# KiCad board visionboard.kicad_pcb (continued)
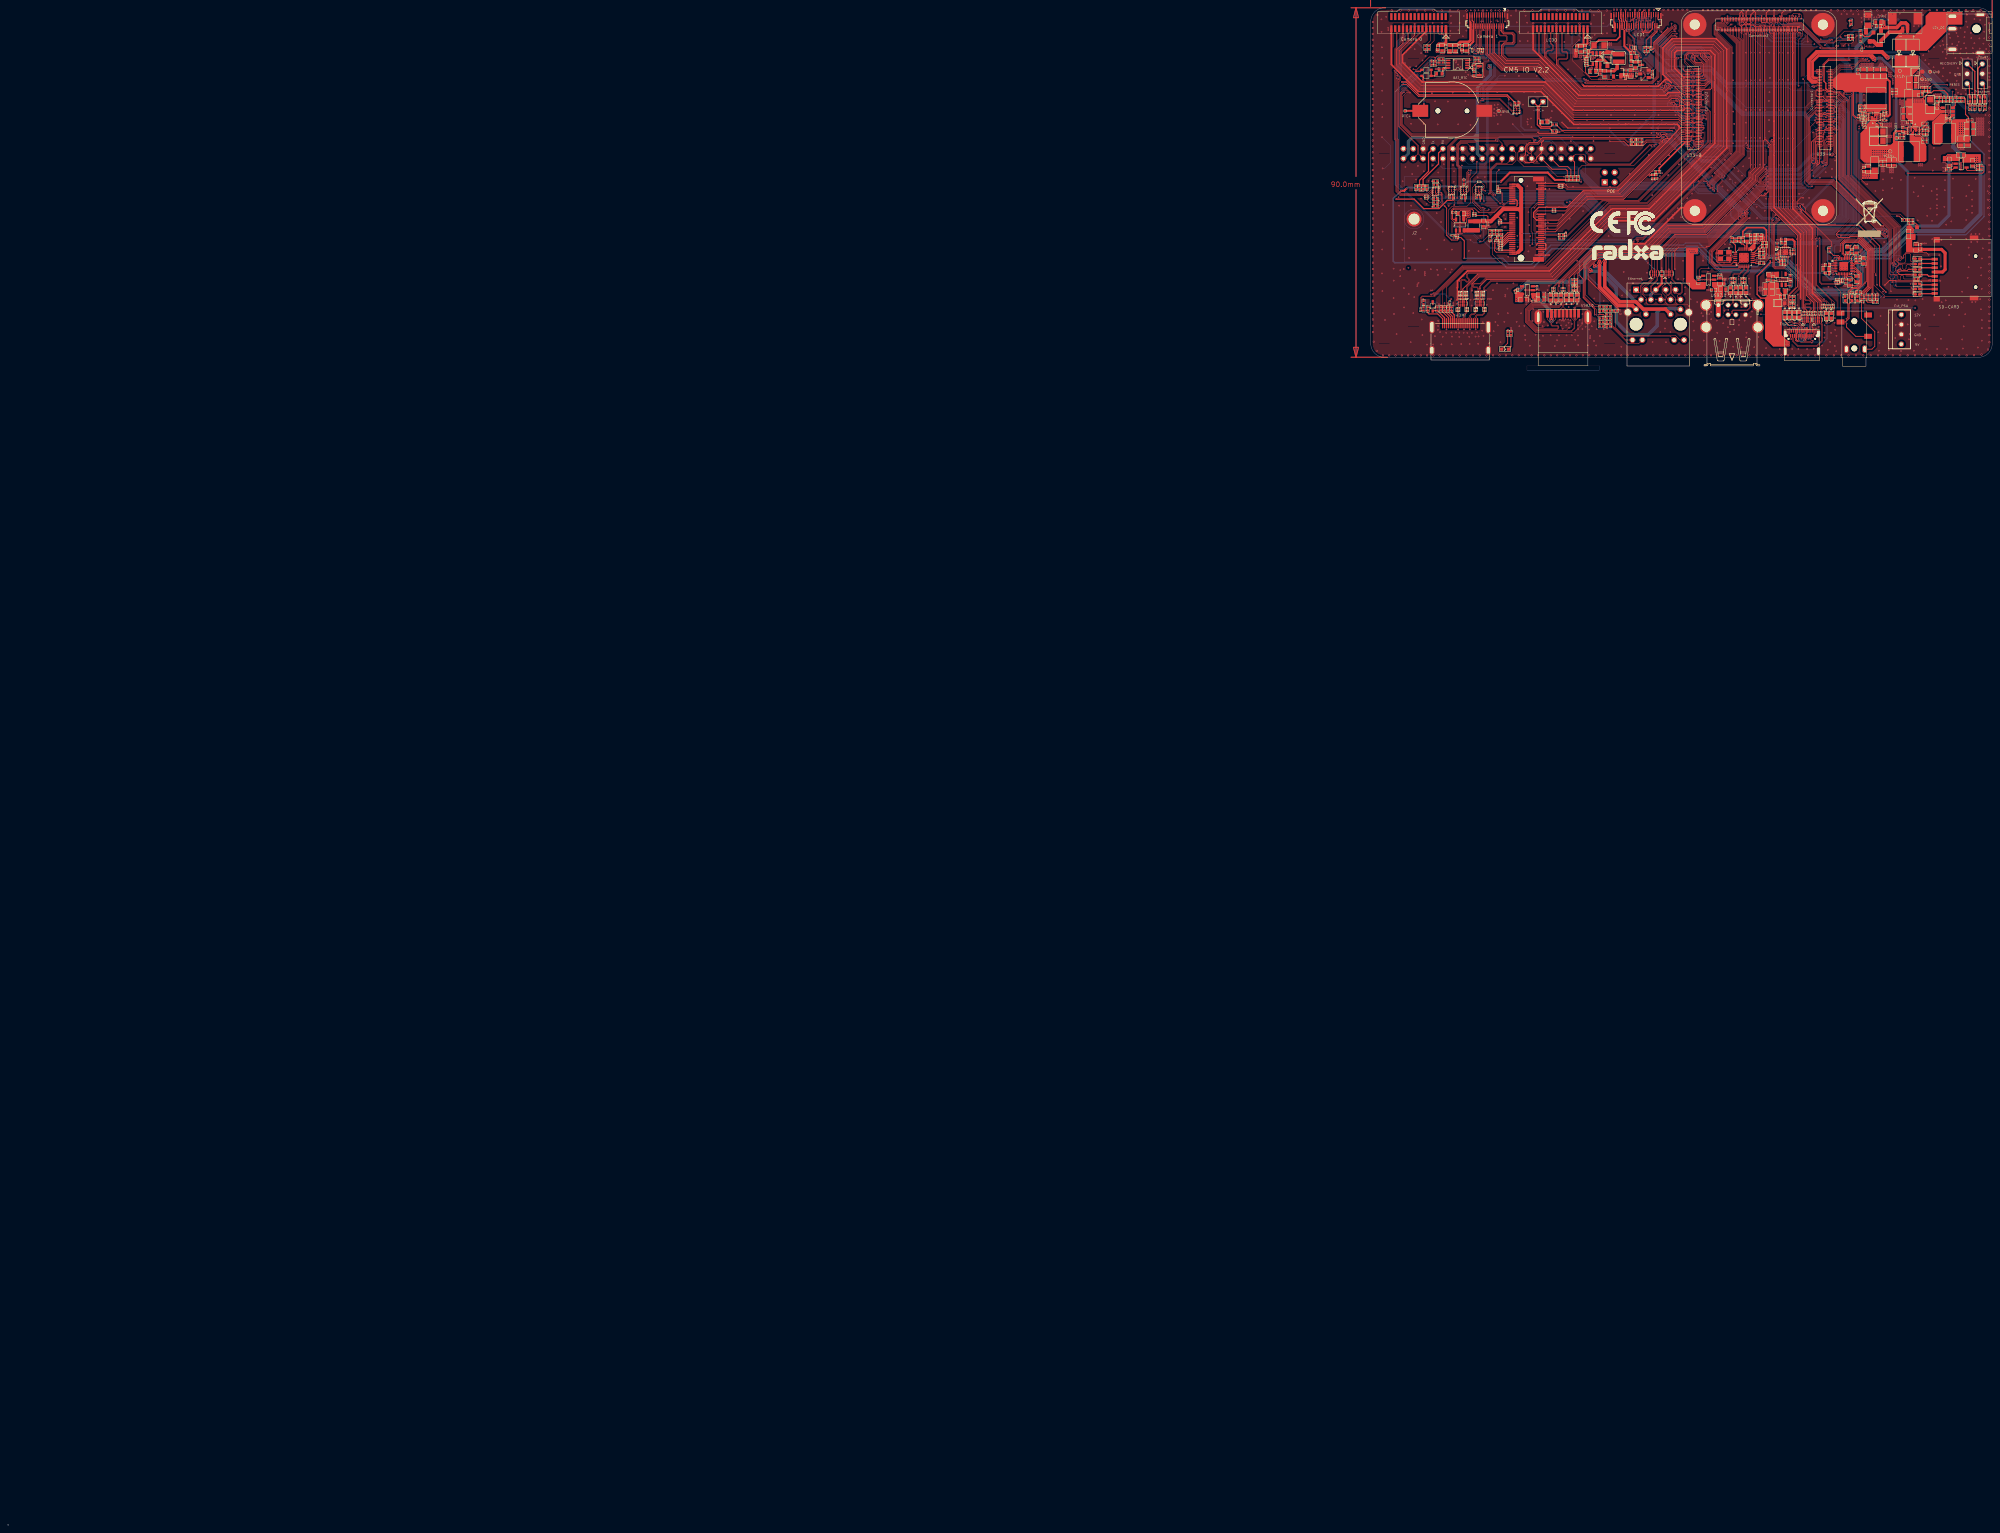
[diagram p0: board, top side]
## Routing (per net, layer and track width the routed paths; a pad name or vN(x,y) marks a point on that pad's centre or on a via; arc(x,y) is an arc through that point) (continued)
VBUS5V0_TYPEC: length 77.4
  Top w0.2: U2603.1 455.76,319.69 455.47,319.98 453.49,319.98 453.21,319.69 453.21,316.67 452.56,316.02 452.56,305.67 454.53,303.69 457.56,303.69 v1(457.66,303.79)
  Top w0.3: v1(460.81,308.34) 460.74,308.28 J8202.A4 460.74,307.08 460.49,306.83 J8202.B9 460.49,305.79 v1(460.48,305.59) ; v1(455.86,327.87) 455.86,327.86 U2602.2 ; v1(462.86,305.59) 462.99,305.73 J8202.B4 462.99,306.83 463.24,307.08 J8202.A9 463.24,308.14 v1(463.23,308.34) ; C2611.1 456.53,306.49 458.1,304.92 458.33,304.92 v1(458.56,304.69) ; v1(453.81,325.64) 453.81,325.12 450.41,321.72 450.41,316.99 451.38,316.02 452.56,316.02
  Top w0.4: v1(460.48,305.59) v1(460.48,305.14) v1(460.86,304.89) ; v1(462.86,305.14) v1(462.86,305.59)
  Top w0.5: C2611.1 456.53,317.12 C90780.1
  Top w0.6: U2603.1 455.76,317.74 C90780.1
  Power w0.3: v1(455.86,327.87) 455.86,327.69 v1(453.81,325.64)
  Power w0.4: v1(460.81,308.34) 460.81,305.92 v1(460.48,305.59)
  Bottom w0.4: v1(463.23,308.34) 463.21,308.37 462.73,308.37 462.53,308.17 462.53,305.3 462.12,304.89 461.54,304.89 461.13,305.3 461.13,306.04 461.28,306.19 461.28,307.79 460.91,308.17 v1(460.81,308.34) 460.81,308.08 460.69,307.96 460.32,307.59 460.32,305.75 v1(460.48,305.59)
  vias: v1(457.66,304.69) v1(457.66,304.24) v1(458.11,304.69) v1(458.11,304.24) v1(458.11,303.79) v1(458.56,304.24) v1(458.56,303.79)
VCC3V3_SD: length 15.1
  Top w0.8: 491.26,328.57 497.88,328.57 498.81,327.64 498.81,323.39 498.16,322.74 CN14A1.4
VCC3V3_SYS: length 369.5
  Top w0.2: R4.2 R10.2 411.28,311.24 411.28,311.33 410.85,311.77 v1(409.61,311.77) ; v1(408.58,311.77) 408.58,313.18 405.63,316.13 405.63,320.89 v1(404.66,321.87)
  Top w0.25: C150.1 504.81,362.59 504.08,363.32 504.08,367.32 503.86,367.54 R157.1 C148.1
  Top w0.4: C150.1 500.91,361.79 500.58,361.47 500.58,359.62 501.08,359.12 L13.2 500.58,357.89 500.58,356.17
  Power w0.1: v2(381.76,375.57) 381.76,375.69 381.73,375.72
  Power w0.3: 374.18,379.54 v1(374.61,379.54)
  Power w2: 444.13,376.29 439.31,376.29 439.18,376.42 416.86,376.42 414.08,373.64 407.16,373.64 403.18,377.62 383.63,377.62 381.73,375.72
  Power w2.5: v2(502.48,359.44) 497.98,359.44 494.31,363.12 487.71,363.12 478.06,372.77 473.33,372.77 468.23,377.87 464.18,377.87 462.61,376.29 444.13,376.29
  Bottom w0.2: v1(408.58,311.77) v1(409.61,311.77)
  Bottom w0.3: v1(404.66,321.87) 404.66,325.49 407.46,328.29 431.91,328.29 432.53,328.92 434.76,328.92 440.88,322.79 451.82,322.79 453.57,324.54 457.05,324.54 464.73,316.87 475.52,316.87 477.58,318.93 477.58,324.73 479.11,326.27 484.63,326.27 490.71,332.34 504.16,332.34 508.86,337.04 508.86,353.07 v2(503.58,358.34)
  Bottom w0.8: 377.49,357.39 378.38,357.39 ; 377.49,357.39 378.38,356.5 ; 377.49,357.39 377.43,357.39 ; 378.38,357.39 378.38,356.5 ; 378.38,357.39 378.38,358.34 ; 377.43,357.39 361.61,357.39 360.61,356.39 360.61,353.23 CON1.1 ; 377.43,357.39 378.38,358.34 ; v2(381.76,375.57) 381.76,373.52 378.38,370.14 378.38,358.34 ; 378.38,356.5 378.38,353.22 CON1.17
  vias: v1(367.88,379.47) v1(368.33,379.47) v1(374.16,379.54) v1(374.38,379.14) v1(403.33,378.14) v1(403.36,378.59) v1(403.81,378.59) v1(403.78,378.12) v1(420.68,376.09) v1(421.11,376.09) v2(381.23,375.42) v2(381.33,375.97) v2(502.48,361.09) v2(502.48,360.54) v2(502.48,359.99) v2(502.48,358.89) v2(502.48,358.34) v2(503.03,361.09) v2(503.03,360.54) v2(503.03,359.99) v2(503.03,359.44) v2(503.03,358.89) v2(503.03,358.34) v2(503.58,361.09) v2(503.58,360.54) v2(503.58,359.99) v2(503.58,359.44) v2(503.58,358.89)
VCC3V3_WF: length 78.1
  Top w0.1: 389.66,332.64 389.86,332.64 v1(389.86,332.67)
  Top w0.2: R95151.2 v1(401.16,333.07) ; 381.11,335.8 381.11,336.97 380.81,337.27 C266.1 R95281.1 ; R95154.2 382.76,330.52 382.76,328.32 383.22,327.85 U4301.72 ; U90135.A2 v1(378.73,344.77)
  Top w0.25: 381.11,335.8 380.98,335.67 C268.1 ; 379.93,335.8 379.93,335.92 C267.1 ; 381.53,335.8 v1(381.58,335.74)
  Top w0.3: 383.26,337.19 383.5,337.19 384.45,336.24 R95153.2 ; U4301.4 388.66,344.85 388.83,345.02 388.83,345.35 U4301.2 ; U4301.72 388.86,327.85 388.86,327.82 388.39,327.35 U4301.74
  Top w1: L5011.2 381.86,335.8 385.01,338.94 389.66,338.94 ; 389.66,338.94 389.66,328.62 388.86,327.82 ; 389.66,338.94 389.66,344.19 388.83,345.02
  Power w0.25: v1(378.73,344.77) 379.11,345.14 381.36,345.14 381.96,344.54 381.96,336.12 v1(381.58,335.74)
  Bottom w0.2: v1(401.16,333.07) 400.76,332.67 v1(389.86,332.67)
VCC5V0_SYS: length 124.1
  Top w0.2: D1.1 366.91,315.09 v1(366.91,314.39)
  Top w0.25: 482.31,351.79 483.23,351.79 ; R95122.2 478.86,360.52 478.86,360.77 479.78,361.69 479.78,362.77 480.11,362.77 480.16,362.72 U1.1 480.16,362.55 480.46,362.24 480.81,362.24 480.81,361.24 481.63,360.42 481.63,355.82 482.06,355.39 486.51,355.39 487.41,354.49 L12.2 487.41,353.14 486.76,352.49 484.33,352.49 ; 488.63,358.89 488.68,358.84 U27.5
  Top w0.3: C2609.1 C2608.1 ; C2609.1 457.56,330.18 457.9,329.84 U2602.12 ; C2609.1 457.4,330.03 U2602.13 ; R95122.2 478.31,351.69 487.41,351.69 L12.2
  Top w0.4: R95616.2 424.39,348.57 424.39,347.69 C90789.1 C90790.1 422.81,347.69 v1(422.68,347.57)
  Top w0.5: v2(460.06,329.17) 460.06,330.59 459.56,331.09 C2608.1 ; 485.66,352.49 485.63,352.52 485.63,358.42 486.21,358.99 C139.1 487.93,358.89 488.63,358.89
  Top w0.8: C265.1 374.88,337.82 U90077.4
  Top w0.9: U26.2 489.13,386.39 488.66,386.87 487.53,386.87 486.36,385.69 482.31,385.69 ; 482.31,385.69 482.31,386.02 482.33,386.04 C127.2 ; 482.31,385.69 D37.2
  Power w0.25: v2(454.68,321.94) 454.78,321.94 460.06,327.22 v2(460.06,329.17)
  Bottom w1: v2(480.71,354.04) 480.71,359.46 477.08,363.08 477.08,372.22 475.96,373.35 475.96,380.52 481.4,385.97 v2(482.66,385.97)
  vias: v1(360.63,323.84) v1(370.83,379.09) v1(371.28,379.09) v1(371.73,379.09) v2(375.48,338.12) v2(375.48,337.57) v2(376.03,338.12) v2(376.03,337.57) v2(417.28,373.74) v2(417.83,373.74) v2(418.38,373.74) v2(454.13,322.49) v2(454.13,321.94) v2(454.68,322.49) v2(480.16,354.04) v2(480.16,353.47) v2(480.16,352.92) v2(480.71,353.47) v2(480.71,352.92) v2(481.26,354.04) v2(481.26,353.49) v2(481.26,352.92) v2(481.81,354.02) v2(481.81,353.47) v2(481.81,352.92) v2(481.81,352.37) v2(482.36,354.02) v2(482.36,353.47) v2(482.36,352.89) v2(482.36,352.34) v2(482.91,354.02) v2(482.91,353.47) v2(482.91,352.89) v2(482.91,352.34) v2(482.98,386.44) v2(483.21,385.94) v2(483.46,354.02) v2(483.46,353.47) v2(483.46,352.89) v2(483.46,352.34) v2(484.01,354.02) v2(484.01,353.47)
VCC5V0_USB: length 79.1
  Top w0.1: R148.1 479.27,348.96 479.11,348.79 478.43,348.79 478.43,347.89 478.48,347.89 v2(478.78,347.94)
  Top w0.3: U90115.5 389.56,317.07 389.18,317.44 R91375.1
  Top w0.5: L4.1 452.11,331.69 v2(452.11,330.94) ; L4.1 C85.1 ; L4.1 451.26,332.14 451.26,330.92 v2(451.01,330.92) 451.01,330.9 452.11,330.9 v2(452.11,330.94) ; C85.1 451.48,331.57 451.76,331.57 ; C85.1 v2(451.56,330.94) v2(452.11,330.94) ; U90128.5 436.53,319.67 436.18,319.32 ; v2(435.01,327.64) 434.46,328.19 v2(433.63,328.19)
  Top w1.5: v2(433.36,327.72) 433.36,320.73 434.77,319.32 436.18,319.32
  Bottom w0.5: v2(451.56,330.94) v2(452.11,330.94)
  Bottom w1: v2(388.86,315.62) 388.86,317.64 391.38,320.17 405.16,320.17 406.08,321.09 406.08,325.17 408.06,327.14 433.33,327.14 v2(433.91,327.72)
  vias: v2(388.38,315.89) v2(388.38,315.34) v2(433.08,328.19) v2(434.18,328.19) v2(434.46,327.72) v2(477.68,347.97) v2(477.66,347.39) v2(477.96,346.94) v2(478.23,347.97) v2(478.21,347.42) v2(478.51,346.94) v2(478.78,347.42) v2(479.06,346.94) v2(479.33,347.94) v2(479.33,347.42)
VCC5V0_USB1: length 13.7
  Top w0.3: C2283.1 394.06,315.57 394.06,315.47 393.86,315.27 C2284.1 393.13,315.57 392.68,316.02 U90115.1
  Top w0.5: C2282.1 394.08,317.07 U90115.1
  Top w0.7: C2283.1 394.11,316.97 C2282.1
  Bottom w1: v2(397.46,310.22) 397.46,312.52 394.21,315.77 v2(393.46,315.77)
  vias: v2(392.91,315.77) v2(393.18,316.24) v2(397.18,310.69) v2(397.73,310.69)
VCC12V: length 114.2
  Top w0.25: 492.23,366.67 493.61,365.29 496.81,365.29 498.04,364.06 498.23,364.06 U29.5 498.23,363.87 497.66,363.87 495.71,361.92 494.16,361.92 493.22,360.98 493.23,360.98 R149.2 492.56,360.29 491.76,360.29 491.53,360.06 491.53,359.18 491.53,359.18 491.37,359.02 491.16,359.02 U27.1 491.16,359.24 490.51,359.89 490.51,360.89 C133.1 490.11,361.3 490.12,361.3 488.91,362.52 488.91,365.79 R150.1 489.33,366.79 492.11,366.79 492.23,366.67 ; 492.23,366.67 492.31,366.67 494.51,368.87 495.26,368.87 495.83,369.44 498.58,369.44 499.48,368.54 R158.1
  Power w2: v2(492.91,366.52) 500.98,366.52 505.28,362.22 505.28,348.22 502.46,345.39 502.46,321.89 492.33,311.77 U28.1
  vias: v2(490.71,367.07) v2(490.71,366.52) v2(491.26,367.07) v2(491.26,366.52) v2(491.81,367.07) v2(491.81,366.52) v2(492.36,367.07) v2(492.36,366.52) v2(492.91,367.07)
VCC_1V8_S0: length 323.2
  Top w0.075: 367.86,342.45 367.86,342.8
  Top w0.15: 367.86,342.45 367.86,341.59 C90618.2 ; 367.86,342.8 367.86,342.89 U90089.C2
  Top w0.2: C90618.2 368.46,341.14 v1(368.56,341.14) ; v1(369.93,339.74) 370.48,339.19 370.48,332.22 371.73,330.97 373.23,330.97 373.38,331.12 R95209.1 ; U33.90 465.72,372.78 465.63,372.69 465.63,372.67 465.92,372.38 U33.88 ; v1(489.21,348.19) 508.43,348.19 508.78,348.54 508.78,349.87 508.66,349.99 R2311.1 ; U90089.C2 U90089.B2
  Top w0.25: R95467.1 423.58,380.09 423.83,380.34 423.83,381.88 427.38,385.43 v1(427.38,385.54) ; R90337.1 471.68,319.79 v1(471.76,319.87) 471.89,320 R95558.1 ; v1(375.01,326.27) 375.01,330.74 374.13,331.62 R95209.1
  Top w0.4: v2(467.58,322.47) 468.13,322.47 R95557.1
  Top w0.5: 480.51,377.63 480.76,377.38 v2(480.76,377.24) v2(480.26,377.44) ; 480.51,377.63 v2(480.73,377.79) ; 480.51,377.63 v2(480.26,377.44) ; 479.23,378.47 v2(480.26,377.44)
  Top w0.7: 465.63,372.69 465.02,372.69 464.68,373.04 464.68,376.97 466.18,378.47 480.06,378.47 v2(480.73,377.79)
  Power w0.3: v2(480.73,377.79) 478.83,379.69 443.78,379.69 442.01,381.47 429.46,381.47 427.38,383.54 v1(427.38,385.54)
  Bottom w0.2: v1(369.93,339.74) 368.56,341.12 v1(368.56,341.14)
  Bottom w0.3: v2(467.58,322.47) 462.1,322.47 457.52,327.04 453.36,327.04 452.93,327.47 452.41,327.47 451.26,326.32 451.26,324.92 450.43,324.09 441.53,324.09 435.41,330.22 431.96,330.22 431.41,329.67 397.31,329.67 392.33,324.69 386.51,324.69 384.93,326.27 v1(375.01,326.27)
  Bottom w0.5: 481.38,377.79 481.38,377.74 480.89,377.24 v2(480.76,377.24) v2(480.26,377.44) v2(480.73,377.79) ; 471.76,320.37 v1(471.76,319.87) 472.26,319.87 ; 471.76,320.37 471.21,320.92 469.13,320.92 v2(467.58,322.47) ; 471.76,320.37 472.26,319.87 ; 472.26,319.87 474.01,319.87 474.76,320.62 474.76,325.39 476.03,326.67 476.53,326.67 478.58,328.72 482.63,328.72 489.18,335.27 489.18,347.64 v1(489.21,348.19)
  Bottom w0.7: v1(489.21,348.19) 489.21,348.54 486.23,351.52 486.23,374.02 482.46,377.79 v2(480.73,377.79)
VCC_1V8_S3: length 247.7
  Top w0.075: 388.27,365.06 388.27,365.51 ; 378.98,342.71 378.98,343.05 ; 372.01,342.76 372.01,343.05 ; 375.08,342.73 375.08,343.1
  Top w0.1: 372.01,343.05 372.01,343.19 U90133.C2
  Top w0.15: U90135.C2 378.98,343.14 378.98,343.05 ; C90784.2 378.98,342.04 378.98,342.71 ; 375.08,342.73 375.08,342.12 C90782.2 ; 372.01,342.76 372.01,342.14 C90783.2 ; 375.08,343.1 375.08,343.19 U90132.C2
  Top w0.2: 388.27,365.51 388.27,366.14 C90788.2 ; U90136.B2 U90136.C2 388.52,364.81 388.27,365.06 ; U90133.C2 U90133.B2 ; v1(473.03,383.59) R4203.2 ; U90135.C2 U90135.B2 ; U90132.C2 U90132.B2
  Top w0.25: v1(379.13,341.02) 379.13,341.94 C90784.2 ; C90783.2 372.06,341.97 v1(372.06,341.19) ; v1(375.23,341.02) C90782.2
  Top w0.3: C90788.2 386.07,368.34 363.39,368.34 360.05,371.69 v1(358.91,371.69) ; v1(474.08,387.47) 474.66,387.47 R95589.2 ; v1(372.06,341.19) 370.62,341.19 368.5,339.07 364.56,339.07 362.11,341.52 v1(357.48,341.52)
  Power w0.2: v1(474.08,387.47) 474.08,386.97 473.03,385.92 v1(473.03,383.59)
  Power w0.25: v1(372.06,341.19) 372.23,341.02 v1(375.23,341.02) v1(379.13,341.02)
  Power w0.3: 356.91,371.69 356.74,371.69 356.58,371.53 ; 356.91,371.69 v1(358.91,371.69) ; 356.91,371.69 356.58,372.01 ; v1(474.08,387.47) 472.46,387.47 465.48,380.49 444.13,380.49 442.46,382.17 429.73,382.17 428.31,383.59 428.31,385.77 424.53,389.54 413.28,389.54 411.76,388.02 357.31,388.02 356.58,387.29 356.58,372.01 ; 356.58,371.53 356.76,371.35 356.76,342.24 v1(357.48,341.52) ; 356.58,371.53 356.58,372.01
VCC_3V3_S0: length 118.9
  Top w0.23: U90129.22 475.23,324.83 475.96,325.57 C573.1
  Top w0.3: C573.1 C574.1
  Top w0.35: C573.1 475.98,325.78 476.27,325.35 v1(476.26,325.34) v1(475.83,325.34)
  Top w0.4: 452.78,329.39 452.78,327.03 452.43,326.68 R106.1 451.91,326.67 v1(452.46,326.67) ; 452.78,329.39 452.78,330.24 ; 452.78,329.39 R94.1 ; 452.78,330.24 R105.1 ; 452.78,330.24 452.78,333.52 452.13,334.17 447.73,334.17 446.73,333.17 L3.2 R91.1 R96.1
  Top w0.5: 498.61,351.74 498.61,351.87 ; 498.61,351.87 v2(499.53,352.79) v2(500.08,352.79) 501.4,352.79 501.82,352.36 ; 498.61,351.87 498.61,352.37 501.83,352.37 501.83,351.64 U2305.1
  Top w0.6: 498.61,351.74 498.61,351.64 U2305.1
  Bottom w0.25: v1(452.73,327.02) 453.33,326.42
  Bottom w0.3: v1(452.46,326.67) 452.06,326.27 452.56,326.27 452.71,326.42
  Bottom w0.4: 476.76,325.82 476.31,325.82 v1(475.83,325.34) ; v1(475.83,325.34) v1(476.26,325.34) ; v1(475.83,325.34) 476.28,324.89 ; v1(452.46,326.67) v1(452.73,327.02)
  Bottom w0.5: v2(499.81,352.29) v2(500.08,352.79) v2(499.53,352.79) v2(499.26,352.29) v2(499.81,352.29)
  Bottom w0.7: v1(476.26,325.34) 476.28,324.62 476.28,319.47 474.98,318.17 465.53,318.17 457.28,326.42 453.33,326.42 ; 476.28,324.89 476.28,325.34 ; v1(452.46,326.67) 452.71,326.42
  Bottom w0.8: v2(499.81,352.29) 499.81,337.34 497.06,334.59 489.58,334.59 482.96,327.97 478.91,327.97 476.28,325.34 v1(476.26,325.34)
VCC_3V3_S3: length 407.4
  Top w0.1: 477.33,379.42 477.33,379.79 R9241.1
  Top w0.2: U90133.A2 v1(371.76,344.79) ; U90089.A2 v1(367.61,344.47) ; U33.86 465.74,371.98 465.51,371.74 465.67,371.58 U33.84 ; v1(359.07,371.01) 360.16,371.01 363.23,367.94 385.98,367.94 386.46,367.47 v1(386.46,367.12) ; 374.83,345.49 C90787.2 ; U90136.A2 388.52,363.35 v1(388.53,363.34) ; U90132.A2 v1(374.83,344.99) ; R12.1 489.65,335.32 Q1.2
  Top w0.25: R95572.1 498.58,368.12 498.54,368.17 v1(498.56,368.17)
  Top w0.3: v1(362.53,374.44) 363.71,374.44 D90038.1 ; U2602.3 455.6,327.36 C2614.1 455.54,327.24 456.06,326.73 456.06,325.98 R2613.1 456.9,325.99 U2602.4 ; v1(374.83,344.99) 374.83,345.49
  Top w0.4: R2613.1 456.25,325.34 v2(455.91,325.34)
  Top w0.5: v2(384.41,346.02) 386.73,348.34 396.48,348.34 398.36,346.47 R95591.1 R95590.1 R95593.1 R95592.1 ; 475.43,379.42 475.46,379.42 ; v2(358.73,343.67) 359.56,343.67 360.06,344.17 v2(360.08,344.17)
  Top w0.8: U2305.5 505.86,351.64 C2330.1
  Top w1: 475.43,379.42 465.79,379.42 463.73,377.36 463.73,372.64 464.63,371.74 465.51,371.74 ; 475.46,379.42 482.56,379.42 v2(483.83,378.14)
  Bottom w0.2: v1(386.46,367.12) 386.46,363.89 387.01,363.34 v1(388.53,363.34)
  Bottom w0.3: 499.01,368.45 498.92,368.53 v1(498.56,368.17) ; v1(362.53,374.44) 362.52,374.46 v1(359.07,371.01) 357.26,369.19 357.26,345.19 358.76,343.69 v2(358.73,343.67)
  Bottom w0.4: v2(455.91,325.34) 455.71,325.14 453.53,325.14 451.63,323.24 441.07,323.24 434.94,329.37 432.34,329.37 431.72,328.74 397.61,328.74 392.71,323.84 385.98,323.84 384.68,325.14 357.13,325.14 356.71,325.57 356.71,341.64 v2(358.73,343.67)
  Bottom w0.5: v2(384.41,346.02) 375.86,346.02 v1(374.83,344.99) 374.63,344.79 v1(371.76,344.79) 367.93,344.79 v1(367.61,344.47) 360.38,344.47 v2(360.08,344.17)
  Bottom w0.6: 484.28,327.14 479.21,327.14 477.03,324.96 477.03,319.16 475.29,317.42 464.96,317.42 457.03,325.34 v2(455.91,325.34) ; v2(506.66,351.19) 507.61,351.19
  Bottom w1: 499.01,368.45 500.91,366.55 500.91,354.92 503.53,352.29 v2(506.63,352.29) ; v2(483.83,378.14) 489.31,378.14 498.92,368.53 ; 484.28,327.14 490.43,333.29 503.58,333.29 507.93,337.64 507.93,350.87 507.61,351.19
  vias: v1(490.13,333.24) v1(490.41,333.59) v1(490.58,333.14) v2(484.01,377.63) v2(484.36,378.04) v2(506.66,351.74) v2(507.18,352.29) v2(507.21,351.74) v2(507.21,351.19)
VCC_LDO5V: length 1
  Top w0.25: R155.1 487.28,357.29 P4.1
VCC_LEDA: length 25.6
  Top w0.25: v2(408.68,375.14) 408.68,374.39 C90409.1 ; v1(413.83,385.22) U90104.38 413.83,386.84 413.53,387.14 U90104.39
  Top w0.4: v1(413.83,384.77) v1(413.83,385.22)
  Top w0.6: C90409.1 409.06,374.62 U90082.5 409.06,377.09 409.36,377.39 411.03,377.39 411.86,376.57 D5000.2
  Power w0.5: v1(413.83,384.77) v1(413.83,385.22)
  Power w0.6: v2(408.68,375.14) v2(409.23,375.14)
  Power w0.7: v1(413.83,384.77) 413.83,378.14 410.83,375.14 v2(409.23,375.14)
VCC_LEDK: length 16
  Top w0.25: U90104.34 415.03,387.54 414.73,387.84 U90104.35
  Top w0.4: R95071.2 407.24,379.82 408.54,381.12 408.29,381.12 R5004.1 408.41,381.22 409.66,382.47 414.18,382.47 415.03,383.32 U90104.34
VCC_MIPI: length 12
  Top w0.5: C90431.1 405.03,380.97 C34.1 406.73,381.57 J6.1 ; C90431.1 FB6.2 ; C90431.1 405.56,380.89 405.73,381.07 J6.2
VCC_RTC: length 3.2
  Top w0.3: R95373.1 367.34,373.25 D2.2 D90038.2
VCC_SYSIN: length 301.2
  Top w0.2: U33.85 475.23,371.98 476.46,373.2 ; U33.83 475.31,371.58 476.46,372.73 476.46,373.2 ; 476.46,373.2 C90488.1 476.2,373.89 474.68,372.38 470.03,372.38 ; C90485.1 477.52,373.17 475.53,371.18 U33.81 ; C90485.1 477.83,371.9 476.31,370.38 U33.77 ; C90485.1 475.44,370.78 U33.79 ; v1(386.23,307.87) 386.23,307.37 R95603.1 ; U33.87 470.03,372.38 ; 470.03,372.38 471.6,373.94 483.63,373.94 483.63,369.07 481.63,369.07 L5002.2 480.43,369.67 479.83,369.07 476.76,369.07 474.65,371.18
  Top w0.25: C90486.1 482.91,362.94 U1.5 ; C90488.1 475.17,372.61 475.17,363.25 475.86,362.57 C90481.2 477.01,362.57 R95120.1
  Top w0.5: C90486.1 484.16,362.87 484.56,363.27 484.56,371.82 483.21,373.17 C90490.1
  Power w0.2: v1(451.38,311.84) 450.63,311.84 442.08,303.29 417.48,303.29 413.43,307.34 386.76,307.34 v1(386.23,307.87) ; v1(483.33,372.47) 490.56,365.24 500.53,365.24 504.08,361.69 504.08,348.72 501.26,345.89 501.26,322.39 492.33,313.47 v1(491.11,313.47)
  Bottom w0.2: v1(491.11,313.47) 491.08,313.49 456.11,313.49 454.46,311.84 v1(451.38,311.84)
VCCIO_FLASH: length 183.2
  Top w0.125: v1(361.91,374.97) 362.86,374.97 366.01,378.12 367.23,378.12 367.36,377.99 ; 367.36,377.99 367.51,377.84 ; 367.36,377.99 367.66,377.99
  Top w0.15: R95375.1 377.36,378.37 368.03,378.37 367.51,377.84 R95374.2
  Top w0.2: 468.46,369.62 468.53,369.58 U33.73
  Top w0.25: v1(474.21,386.09) 474.66,386.54 R95589.1
  Top w0.3: v1(474.23,377.32) 468.81,377.32 467.63,376.14 467.63,371.84 468.11,371.37 468.11,369.97 468.46,369.62
  Power w0.15: v1(361.91,374.97) 359.36,374.97 356.91,377.42 356.91,387.16 357.44,387.69 411.89,387.69 413.41,389.22 424.36,389.22 427.76,385.82 427.76,383.68 429.65,381.79 442.14,381.79 443.84,380.09 473.58,380.09 473.93,380.44 v1(473.93,381.22)
  Power w0.4: v1(474.21,386.09) 473.93,385.82 v1(473.93,381.22)
  Bottom w0.3: v1(473.93,381.22) 474.01,381.14 474.01,377.54 v1(474.23,377.32)
100M_LED_G+: length 10.1
  Top w0.1: R3.2 411.11,309.39 412.13,309.39 R4.1 412.93,309.39 412.93,308.9 416.6,305.24 J3.15
100M_LED_G-: length 12.7
  Top w0.1: R2.1 411.11,309.14 412.13,309.14 R1.2 412.81,308.74 417.23,304.32 419.94,304.32 J3.16
1000M_LED_Y+: length 21.8
  Top w0.1: J3.17 428.05,306.24 415.87,306.24 413.23,308.89 413.23,311.59 413.03,311.79 R9.2 R10.1
1000M_LED_Y-: length 24.5
  Top w0.1: R8.1 R7.2 414.03,312.29 414.03,308.37 415.96,306.44 429.36,306.44 430.56,305.24 J3.18
BT_HOST_WAKE: length 108
  Top w0.1: v1(438.12,344.81) 438.12,345.23 440.38,347.49 440.38,348.17 445.78,353.57 445.78,381.89 443.97,383.71 J24.85 ; R95586.1 383.28,343.49 383.28,348.39 v1(383.96,349.07)
  Bottom w0.1: v1(438.12,344.81) 435.17,344.81 434.86,345.12 417.24,345.12 415.61,343.49 409.65,343.49 403.92,349.22 384.11,349.22 v1(383.96,349.07)
BT_REG_ON_H: length 115.6
  Top w0.1: v1(418.63,330.49) 418.63,330.78 419.42,331.57 420.98,331.57 434.07,344.66 434.07,345.66 442.97,354.55 442.97,380.27 439.31,383.93 439.31,386.28 440.12,387.09 441.32,387.09 441.57,387.34 J24.98 ; R95153.1 R95143.1 383.95,334.92 v1(383.96,334.92) ; R95148.1 383.58,330.19 v1(383.58,330.12)
  Bottom w0.1: v1(418.63,330.49) 418.56,330.42 383.88,330.42 v1(383.58,330.12) 382.36,330.12 381.58,330.89 381.58,332.54 v1(383.96,334.92)
BUSJ: length 3.9
  Top w0.25: U17.18 449.59,327.68 450.63,328.72 450.63,328.94 R105.2
CC_INT0_L: length 82.4
  Top w0.1: v1(456.16,336.12) 454.96,334.92 454.96,324.36 455.18,324.14 457.16,324.14 457.37,324.35 R95599.1 ; v1(438.57,349.65) 443.17,354.25 443.17,380.35 439.51,384.01 439.51,386.2 440.2,386.89 441.78,386.89 441.97,387.08 J24.96
  Bottom w0.1: v1(456.16,336.12) 455.01,336.12 454.66,336.47 451.63,336.47 441.28,346.82 441.28,347.52 439.14,349.65 v1(438.57,349.65)
DRV: length 3.9
  Top w0.25: U17.21 447.26,329.49 446.81,329.94 446.44,329.94 445.74,330.64 R91.2
  Top w0.3: TP6.1 445.81,330.67 R91.2
EINT_CTP1: length 6.6
  Top w0.1: U90089.C1 v1(366.73,343.14) 365.91,342.32 R95470.1 ; v1(366.68,339.52) 366.96,339.52 R95596.2
  Power w0.1: v1(366.73,343.14) 366.31,342.72 366.31,339.89 v1(366.68,339.52)
GPIO0_C2: length 116.1
  Top w0.1: v1(437.24,346.07) 437.24,346.14 438.13,346.14 439.78,347.79 439.78,348.47 445.18,353.87 445.18,381.64 442.37,384.46 J24.93
  Bottom w0.1: v1(437.24,346.07) 436.89,345.72 416.99,345.72 415.36,344.09 409.9,344.09 404.17,349.82 373.91,349.82 373.31,350.41 373.31,353.21 372.61,353.91
  Bottom w0.4: CON1.12 372.61,353.91
GPIO0_C7: length 134
  Top w0.1: U33.56 465.78,365.98 v1(465.78,365.94)
  Top w0.2: R95590.2 402.46,349.07 401.63,349.89 399.46,349.89 397.43,351.92 CON1.31
  Power w0.1: v1(402.18,340.89) 402.18,347.2 397.93,351.45
  Power w0.4: CON1.31 397.93,351.45
  Bottom w0.1: v1(465.78,365.94) 466.06,365.67 471.83,365.67 473.68,363.82 473.68,336.61 470.24,333.17 414.08,333.17 406.51,340.74 402.33,340.74 v1(402.18,340.89)
GPIO0_D0: length 140.7
  Top w0.1: U33.58 466.59,366.41 465.71,366.41 v1(465.71,366.44)
  Top w0.2: CON1.29 397.63,349.22 401.13,349.22 401.53,348.82 R95591.2
  Power w0.1: 395.42,351.42 396.22,350.62 398.48,350.62 401.98,347.12 401.98,341.24 v1(401.41,340.67)
  Power w0.4: CON1.29 395.42,351.42
  Bottom w0.1: v1(465.71,366.44) 465.78,366.37 471.81,366.37 474.08,364.09 474.08,336.44 470.41,332.77 413.88,332.77 406.31,340.34 401.93,340.34 401.61,340.67 v1(401.41,340.67)
GPIO0_D3: length 87.2
  Top w0.1: J24.94 442.37,387.15 441.91,386.69 440.28,386.69 439.71,386.12 439.71,384.09 443.37,380.43 443.37,353.96 435.48,346.07 435.31,346.07 v1(435.31,346.11)
  Bottom w0.1: v1(435.31,346.11) 435.11,345.92 416.91,345.92 415.28,344.29 409.98,344.29 406.23,348.04 406.23,353.13 406.91,353.81
  Bottom w0.4: 406.91,353.81 CON1.40
GPIO1_A6_CAM1: length 144.8
  Top w0.1: v1(470.43,363.97) 470.43,363.98 U33.45 ; U90089.B3 v1(368.51,343.62) 368.86,343.97 368.86,345.29 R95595.1
  Bottom w0.1: v1(470.43,363.97) 471.78,363.97 473.08,362.67 473.08,336.87 469.98,333.77 414.38,333.77 406.48,341.67 383.86,341.67 383.56,341.37 373.8,341.37 373.47,341.04 372.79,341.04 372.27,341.56 369.31,341.56 368.53,342.34 368.53,343.59 v1(368.51,343.62)
GPIO1_A6_CAM1_E: length 60.2
  Top w0.1: v1(365.56,379.37) 365.56,379.82 R95570.1 ; R95595.2 367.23,346.09 v1(366.68,346.09) ; U90089.B1 v1(366.73,343.64) 365.86,342.77 358.71,342.77 357.81,343.67 357.81,356.77 357.61,356.97 v1(357.61,372.67)
  Power w0.1: v1(366.68,346.09) 366.68,343.69 v1(366.73,343.64)
  Bottom w0.1: v1(365.56,379.37) 363.11,381.82 359.47,381.82 358.68,381.03 358.68,373.54 357.81,372.67 v1(357.61,372.67)
GPIO1_B1: length 26.8
  Top w0.1: 384.73,355.34 384.73,355.85 383.51,357.07 373.33,357.07 371.13,354.87 371.13,344.57 U90133.A1
  Top w0.4: CON1.22 384.73,355.34
GPIO1_B1_S: length 138.3
  Top w0.1: v1(373.16,341.79) 373.16,344.17 372.88,344.44 U90133.A3 ; U33.40 467.95,362.78 v1(468.16,362.57)
  Bottom w0.1: v1(468.16,362.57) 468.23,362.49 471.86,362.49 472.48,361.87 472.48,337.17 469.68,334.37 414.68,334.37 406.78,342.27 383.61,342.27 383.31,341.97 373.33,341.97 v1(373.16,341.79)
GPIO1_B2_CAM1: length 145.5
  Top w0.1: v1(467.91,363.74) 467.91,363.79 467.32,363.79 467.11,363.58 U33.44 ; R95594.1 368.51,344.74 v1(368.51,344.14) U90089.A3
  Bottom w0.1: v1(467.91,363.74) 468.11,363.89 468.53,363.89 469.18,363.24 471.91,363.24 472.88,362.28 472.88,336.97 469.88,333.97 414.48,333.97 406.58,341.87 383.78,341.87 383.48,341.57 373.71,341.57 373.39,341.24 372.87,341.24 372.35,341.76 369.41,341.76 368.73,342.44 368.73,343.24 368.91,343.42 368.91,343.74 v1(368.51,344.14)
GPIO1_B2_CAM1_E: length 57.1
  Top w0.1: v1(358.03,372.39) 357.81,372.17 357.81,357.09 358.01,356.9 358.01,343.77 358.81,342.97 365.56,342.97 366.73,344.14 U90089.A1 367.11,345.22 R95594.2 ; R95571.1 365.03,380.12 v1(365.03,379.37)
  Bottom w0.1: v1(358.03,372.39) 358.93,373.29 358.93,380.99 359.56,381.62 363.01,381.62 365.03,379.59 v1(365.03,379.37)
GPIO1_B6_CAM2_CLK: length 108.8